# Allegro board C000PC009-HI3516DV300-CORE-A-A01.brd (continued)
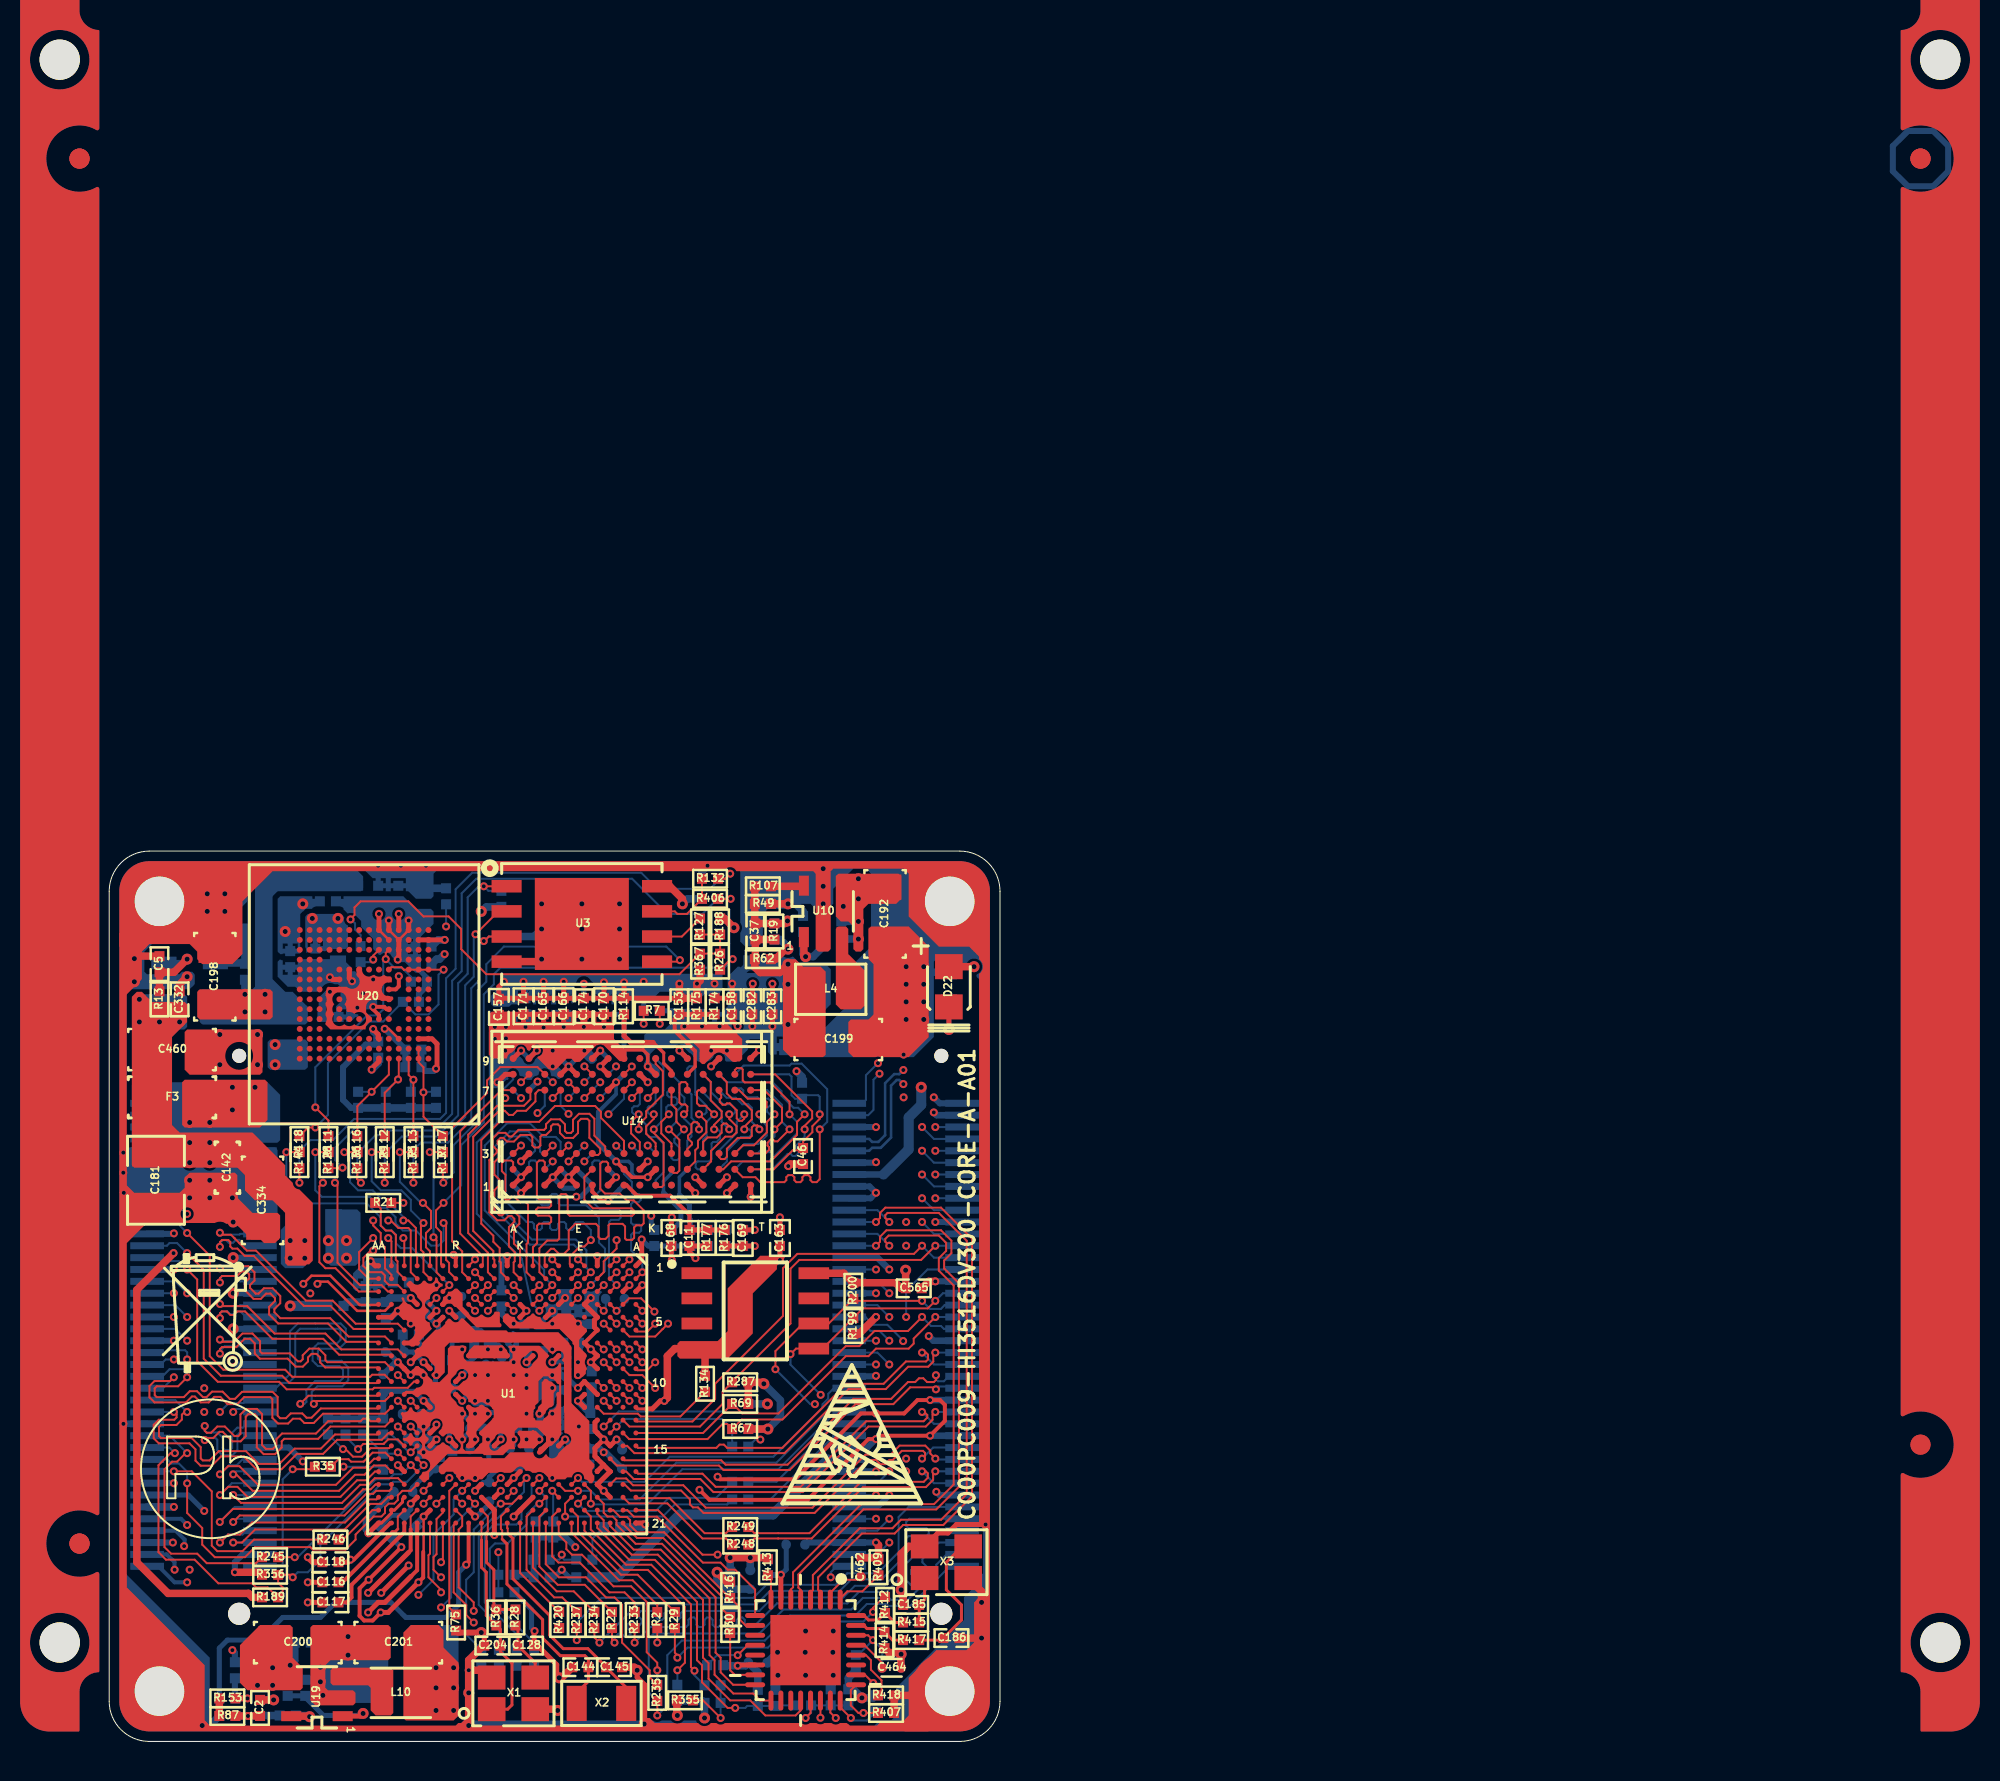
[diagram p0: board, top side]
## Footprints (pads in the part's own frame, mm; a bottom-side part is the same pattern mirrored in y, then rotated)
BGA96-32-1609G
  round 0.356 smd: A1(-6,-3.2) A2(-6,-2.4) A3(-6,-1.6) A7(-6,1.6) A8(-6,2.4) A9(-6,3.2) B1(-5.2,-3.2) B2(-5.2,-2.4) B3(-5.2,-1.6) B7(-5.2,1.6) B8(-5.2,2.4) B9(-5.2,3.2) C1(-4.4,-3.2) C2(-4.4,-2.4) C3(-4.4,-1.6) C7(-4.4,1.6) C8(-4.4,2.4) C9(-4.4,3.2) D1(-3.6,-3.2) D2(-3.6,-2.4) D3(-3.6,-1.6) D7(-3.6,1.6) D8(-3.6,2.4) D9(-3.6,3.2) E1(-2.8,-3.2) E2(-2.8,-2.4) E3(-2.8,-1.6) E7(-2.8,1.6) E8(-2.8,2.4) E9(-2.8,3.2) F1(-2,-3.2) F2(-2,-2.4) F3(-2,-1.6) F7(-2,1.6) F8(-2,2.4) F9(-2,3.2) G1(-1.2,-3.2) G2(-1.2,-2.4) G3(-1.2,-1.6) G7(-1.2,1.6) G8(-1.2,2.4) G9(-1.2,3.2) H1(-0.4,-3.2) H2(-0.4,-2.4) H3(-0.4,-1.6) H7(-0.4,1.6) H8(-0.4,2.4) H9(-0.4,3.2) J1(0.4,-3.2) J2(0.4,-2.4) J3(0.4,-1.6) J7(0.4,1.6) J8(0.4,2.4) J9(0.4,3.2) K1(1.2,-3.2) K2(1.2,-2.4) K3(1.2,-1.6) K7(1.2,1.6) K8(1.2,2.4) K9(1.2,3.2) L1(2,-3.2) L2(2,-2.4) L3(2,-1.6) L7(2,1.6) L8(2,2.4) L9(2,3.2) M1(2.8,-3.2) M2(2.8,-2.4) M3(2.8,-1.6) M7(2.8,1.6) M8(2.8,2.4) M9(2.8,3.2) N1(3.6,-3.2) N2(3.6,-2.4) N3(3.6,-1.6) N7(3.6,1.6) N8(3.6,2.4) N9(3.6,3.2) P1(4.4,-3.2) P2(4.4,-2.4) P3(4.4,-1.6) P7(4.4,1.6) P8(4.4,2.4) P9(4.4,3.2) R1(5.2,-3.2) R2(5.2,-2.4) R3(5.2,-1.6) R7(5.2,1.6) R8(5.2,2.4) R9(5.2,3.2) T1(6,-3.2) T2(6,-2.4) T3(6,-1.6) T7(6,1.6) T8(6,2.4) T9(6,3.2)
BGA153-20-1414-ENIG
  round 0.305 smd: A1(-3.25,-3.25) A2(-3.25,-2.75) A3(-3.25,-2.25) A4(-3.25,-1.75) A5(-3.25,-1.25) A6(-3.25,-0.75) A7(-3.25,-0.25) A8(-3.25,0.25) A9(-3.25,0.75) A10(-3.25,1.25) A11(-3.25,1.75) A12(-3.25,2.25) A13(-3.25,2.75) A14(-3.25,3.25) B1(-2.75,-3.25) B2(-2.75,-2.75) B3(-2.75,-2.25) B4(-2.75,-1.75) B5(-2.75,-1.25) B6(-2.75,-0.75) B7(-2.75,-0.25) B8(-2.75,0.25) B9(-2.75,0.75) B10(-2.75,1.25) B11(-2.75,1.75) B12(-2.75,2.25) B13(-2.75,2.75) B14(-2.75,3.25) C1(-2.25,-3.25) C2(-2.25,-2.75) C3(-2.25,-2.25) C4(-2.25,-1.75) C5(-2.25,-1.25) C6(-2.25,-0.75) C7(-2.25,-0.25) C8(-2.25,0.25) C9(-2.25,0.75) C10(-2.25,1.25) C11(-2.25,1.75) C12(-2.25,2.25) C13(-2.25,2.75) C14(-2.25,3.25) D1(-1.75,-3.25) D2(-1.75,-2.75) D3(-1.75,-2.25) D4(-1.75,-1.75) D12(-1.75,2.25) D13(-1.75,2.75) D14(-1.75,3.25) E1(-1.25,-3.25) E2(-1.25,-2.75) E3(-1.25,-2.25) E5(-1.25,-1.25) E6(-1.25,-0.75) E7(-1.25,-0.25) E8(-1.25,0.25) E9(-1.25,0.75) E10(-1.25,1.25) E12(-1.25,2.25) E13(-1.25,2.75) E14(-1.25,3.25) F1(-0.75,-3.25) F2(-0.75,-2.75) F3(-0.75,-2.25) F5(-0.75,-1.25) F10(-0.75,1.25) F12(-0.75,2.25) F13(-0.75,2.75) F14(-0.75,3.25) G1(-0.25,-3.25) G2(-0.25,-2.75) G3(-0.25,-2.25) G5(-0.25,-1.25) G10(-0.25,1.25) G12(-0.25,2.25) G13(-0.25,2.75) G14(-0.25,3.25) H1(0.25,-3.25) H2(0.25,-2.75) H3(0.25,-2.25) H5(0.25,-1.25) H10(0.25,1.25) H12(0.25,2.25) H13(0.25,2.75) H14(0.25,3.25) J1(0.75,-3.25) J2(0.75,-2.75) J3(0.75,-2.25) J5(0.75,-1.25) J10(0.75,1.25) J12(0.75,2.25) J13(0.75,2.75) J14(0.75,3.25) K1(1.25,-3.25) K2(1.25,-2.75) K3(1.25,-2.25) K5(1.25,-1.25) K6(1.25,-0.75) K7(1.25,-0.25) K8(1.25,0.25) K9(1.25,0.75) K10(1.25,1.25) K12(1.25,2.25) K13(1.25,2.75) K14(1.25,3.25) L1(1.75,-3.25) L2(1.75,-2.75) L3(1.75,-2.25) L12(1.75,2.25) L13(1.75,2.75) L14(1.75,3.25) M1(2.25,-3.25) M2(2.25,-2.75) M3(2.25,-2.25) M4(2.25,-1.75) M5(2.25,-1.25) M6(2.25,-0.75) M7(2.25,-0.25) M8(2.25,0.25) M9(2.25,0.75) M10(2.25,1.25) M11(2.25,1.75) M12(2.25,2.25) M13(2.25,2.75) M14(2.25,3.25) N1(2.75,-3.25) N2(2.75,-2.75) N3(2.75,-2.25) N4(2.75,-1.75) N5(2.75,-1.25) N6(2.75,-0.75) N7(2.75,-0.25) N8(2.75,0.25) N9(2.75,0.75) N10(2.75,1.25) N11(2.75,1.75) N12(2.75,2.25) N13(2.75,2.75) N14(2.75,3.25) P1(3.25,-3.25) P2(3.25,-2.75) P3(3.25,-2.25) P4(3.25,-1.75) P5(3.25,-1.25) P6(3.25,-0.75) P7(3.25,-0.25) P8(3.25,0.25) P9(3.25,0.75) P10(3.25,1.25) P11(3.25,1.75) P12(3.25,2.25) P13(3.25,2.75) P14(3.25,3.25)
BGA367-26-2121
  round 0.254 smd: A1(-6.5,-6.5) A2(-6.5,-5.85) A3(-6.5,-5.2) A4(-6.5,-4.55) A5(-6.5,-3.9) A6(-6.5,-3.25) A7(-6.5,-2.6) A8(-6.5,-1.95) A9(-6.5,-1.3) A10(-6.5,-0.65) A11(-6.5,0) A12(-6.5,0.65) A13(-6.5,1.3) A14(-6.5,1.95) A15(-6.5,2.6) A17(-6.5,3.9) A19(-6.5,5.2) A20(-6.5,5.85) A21(-6.5,6.5) AA1(6.5,-6.5) AA2(6.5,-5.85) AA3(6.5,-5.2) AA4(6.5,-4.55) AA5(6.5,-3.9) AA7(6.5,-2.6) AA9(6.5,-1.3) AA10(6.5,-0.65) AA11(6.5,0) AA12(6.5,0.65) AA13(6.5,1.3) AA14(6.5,1.95) AA16(6.5,3.25) AA17(6.5,3.9) AA18(6.5,4.55) AA19(6.5,5.2) AA20(6.5,5.85) AA21(6.5,6.5) B1(-5.85,-6.5) B2(-5.85,-5.85) B3(-5.85,-5.2) B4(-5.85,-4.55) B5(-5.85,-3.9) B6(-5.85,-3.25) B7(-5.85,-2.6) B8(-5.85,-1.95) B9(-5.85,-1.3) B10(-5.85,-0.65) B11(-5.85,0) B12(-5.85,0.65) B13(-5.85,1.3) B14(-5.85,1.95) B15(-5.85,2.6) B16(-5.85,3.25) B17(-5.85,3.9) B18(-5.85,4.55) B19(-5.85,5.2) B20(-5.85,5.85) B21(-5.85,6.5) C1(-5.2,-6.5) C2(-5.2,-5.85) C3(-5.2,-5.2) C4(-5.2,-4.55) C5(-5.2,-3.9) C6(-5.2,-3.25) C7(-5.2,-2.6) C8(-5.2,-1.95) C9(-5.2,-1.3) C10(-5.2,-0.65) C11(-5.2,0) C12(-5.2,0.65) C13(-5.2,1.3) C14(-5.2,1.95) C15(-5.2,2.6) C16(-5.2,3.25) C17(-5.2,3.9) C18(-5.2,4.55) C19(-5.2,5.2) C20(-5.2,5.85) C21(-5.2,6.5) D1(-4.55,-6.5) D2(-4.55,-5.85) D3(-4.55,-5.2) D4(-4.55,-4.55) D5(-4.55,-3.9) D6(-4.55,-3.25) D7(-4.55,-2.6) D8(-4.55,-1.95) D9(-4.55,-1.3) D10(-4.55,-0.65) D11(-4.55,0) D12(-4.55,0.65) D13(-4.55,1.3) D14(-4.55,1.95) D15(-4.55,2.6) D16(-4.55,3.25) D17(-4.55,3.9) D18(-4.55,4.55) D19(-4.55,5.2) D20(-4.55,5.85) D21(-4.55,6.5) E1(-3.9,-6.5) E2(-3.9,-5.85) E3(-3.9,-5.2) E4(-3.9,-4.55) E5(-3.9,-3.9) E6(-3.9,-3.25) E7(-3.9,-2.6) E8(-3.9,-1.95) E9(-3.9,-1.3) E10(-3.9,-0.65) E11(-3.9,0) E12(-3.9,0.65) E18(-3.9,4.55) E19(-3.9,5.2) E20(-3.9,5.85) E21(-3.9,6.5) F1(-3.25,-6.5) F2(-3.25,-5.85) F3(-3.25,-5.2) F4(-3.25,-4.55) F5(-3.25,-3.9) F18(-3.25,4.55) F19(-3.25,5.2) F20(-3.25,5.85) F21(-3.25,6.5) G1(-2.6,-6.5) G2(-2.6,-5.85) G3(-2.6,-5.2) G4(-2.6,-4.55) G5(-2.6,-3.9) G8(-2.6,-1.95) G9(-2.6,-1.3) G10(-2.6,-0.65) G11(-2.6,0) G12(-2.6,0.65) G13(-2.6,1.3) G14(-2.6,1.95) G15(-2.6,2.6) G18(-2.6,4.55) G19(-2.6,5.2) G20(-2.6,5.85) G21(-2.6,6.5) H1(-1.95,-6.5) H2(-1.95,-5.85) H3(-1.95,-5.2) H4(-1.95,-4.55) H5(-1.95,-3.9) H8(-1.95,-1.95) H9(-1.95,-1.3) H10(-1.95,-0.65) H11(-1.95,0) H12(-1.95,0.65) H13(-1.95,1.3) H14(-1.95,1.95) H15(-1.95,2.6) H17(-1.95,3.9) H18(-1.95,4.55) H19(-1.95,5.2) H20(-1.95,5.85) H21(-1.95,6.5) J1(-1.3,-6.5) J2(-1.3,-5.85) J3(-1.3,-5.2) J4(-1.3,-4.55) J5(-1.3,-3.9) J8(-1.3,-1.95) J9(-1.3,-1.3) J10(-1.3,-0.65) J11(-1.3,0) J12(-1.3,0.65) J13(-1.3,1.3) J14(-1.3,1.95) J15(-1.3,2.6) J18(-1.3,4.55) J19(-1.3,5.2) J20(-1.3,5.85) J21(-1.3,6.5) K1(-0.65,-6.5) K2(-0.65,-5.85) K3(-0.65,-5.2) K4(-0.65,-4.55) K5(-0.65,-3.9) K8(-0.65,-1.95) K9(-0.65,-1.3) K10(-0.65,-0.65) K11(-0.65,0) K12(-0.65,0.65) K13(-0.65,1.3) K14(-0.65,1.95) K15(-0.65,2.6) K17(-0.65,3.9) K18(-0.65,4.55) K19(-0.65,5.2) K20(-0.65,5.85) K21(-0.65,6.5) L1(0,-6.5) L2(0,-5.85) L3(0,-5.2) L4(0,-4.55) L5(0,-3.9) L8(0,-1.95) L9(0,-1.3) L10(0,-0.65) L11(0,0) L12(0,0.65) L13(0,1.3) L14(0,1.95) L15(0,2.6) L18(0,4.55) L19(0,5.2) L20(0,5.85) L21(0,6.5) M1(0.65,-6.5) M2(0.65,-5.85) M3(0.65,-5.2) M4(0.65,-4.55) M5(0.65,-3.9) M8(0.65,-1.95) M9(0.65,-1.3) M10(0.65,-0.65) M11(0.65,0) M12(0.65,0.65) M13(0.65,1.3) M14(0.65,1.95) M15(0.65,2.6) M18(0.65,4.55) M19(0.65,5.2) M20(0.65,5.85) M21(0.65,6.5) N1(1.3,-6.5) N2(1.3,-5.85) N3(1.3,-5.2) N4(1.3,-4.55) N8(1.3,-1.95) N9(1.3,-1.3) N10(1.3,-0.65) N11(1.3,0) N12(1.3,0.65) N13(1.3,1.3) N14(1.3,1.95) N15(1.3,2.6) N18(1.3,4.55) N19(1.3,5.2) N20(1.3,5.85) N21(1.3,6.5) P1(1.95,-6.5) P2(1.95,-5.85) P3(1.95,-5.2) P4(1.95,-4.55) P8(1.95,-1.95) P9(1.95,-1.3) P10(1.95,-0.65) P11(1.95,0) P12(1.95,0.65) P13(1.95,1.3) P14(1.95,1.95) P15(1.95,2.6) P17(1.95,3.9) P18(1.95,4.55) P19(1.95,5.2) P20(1.95,5.85) P21(1.95,6.5) R1(2.6,-6.5) R2(2.6,-5.85) R3(2.6,-5.2) R4(2.6,-4.55) R5(2.6,-3.9) R8(2.6,-1.95) R9(2.6,-1.3) R10(2.6,-0.65) R11(2.6,0) R12(2.6,0.65) R13(2.6,1.3) R14(2.6,1.95) R15(2.6,2.6) R17(2.6,3.9) R18(2.6,4.55) R19(2.6,5.2) R20(2.6,5.85) R21(2.6,6.5) T1(3.25,-6.5) T2(3.25,-5.85) T3(3.25,-5.2) T4(3.25,-4.55) T5(3.25,-3.9) T17(3.25,3.9) T18(3.25,4.55) T19(3.25,5.2) T20(3.25,5.85) T21(3.25,6.5) U1(3.9,-6.5) U2(3.9,-5.85) U3(3.9,-5.2) U4(3.9,-4.55) U5(3.9,-3.9) U9(3.9,-1.3) U11(3.9,0) U12(3.9,0.65) U14(3.9,1.95) U15(3.9,2.6) U18(3.9,4.55) U19(3.9,5.2) U20(3.9,5.85) U21(3.9,6.5) V1(4.55,-6.5) V2(4.55,-5.85) V3(4.55,-5.2) V4(4.55,-4.55) V5(4.55,-3.9) V6(4.55,-3.25) V7(4.55,-2.6) V8(4.55,-1.95) V9(4.55,-1.3) V10(4.55,-0.65) V11(4.55,0) V12(4.55,0.65) V13(4.55,1.3) V14(4.55,1.95) V15(4.55,2.6) V16(4.55,3.25) V17(4.55,3.9) V18(4.55,4.55) V19(4.55,5.2) V20(4.55,5.85) V21(4.55,6.5) W1(5.2,-6.5) W2(5.2,-5.85) W3(5.2,-5.2) W4(5.2,-4.55) W5(5.2,-3.9) W6(5.2,-3.25) W7(5.2,-2.6) W8(5.2,-1.95) W9(5.2,-1.3) W10(5.2,-0.65) W11(5.2,0) W12(5.2,0.65) W13(5.2,1.3) W14(5.2,1.95) W15(5.2,2.6) W16(5.2,3.25) W17(5.2,3.9) W18(5.2,4.55) W19(5.2,5.2) W20(5.2,5.85) W21(5.2,6.5) Y1(5.85,-6.5) Y2(5.85,-5.85) Y3(5.85,-5.2) Y4(5.85,-4.55) Y5(5.85,-3.9) Y6(5.85,-3.25) Y7(5.85,-2.6) Y8(5.85,-1.95) Y9(5.85,-1.3) Y10(5.85,-0.65) Y11(5.85,0) Y12(5.85,0.65) Y13(5.85,1.3) Y14(5.85,1.95) Y15(5.85,2.6) Y16(5.85,3.25) Y17(5.85,3.9) Y18(5.85,4.55) Y19(5.85,5.2) Y20(5.85,5.85) Y21(5.85,6.5)
FX8C-80S-SV
  round 1.118 hole 1.118 unplated: (-14.1,1.8)
  round 0.711 hole 0.711 unplated: (14.1,1.8)
  rect 0.356x1.702 smd: 1(-11.7,2.85) 2(-11.7,-2.85) 3(-11.1,2.85) 4(-11.1,-2.85) 5(-10.5,2.85) 6(-10.5,-2.85) 7(-9.9,2.85) 8(-9.9,-2.85) 9(-9.3,2.85) 10(-9.3,-2.85) 11(-8.7,2.85) 12(-8.7,-2.85) 13(-8.1,2.85) 14(-8.1,-2.85) 15(-7.5,2.85) 16(-7.5,-2.85) 17(-6.9,2.85) 18(-6.9,-2.85) 19(-6.3,2.85) 20(-6.3,-2.85) 21(-5.7,2.85) 22(-5.7,-2.85) 23(-5.1,2.85) 24(-5.1,-2.85) 25(-4.5,2.85) 26(-4.5,-2.85) 27(-3.9,2.85) 28(-3.9,-2.85) 29(-3.3,2.85) 30(-3.3,-2.85) 31(-2.7,2.85) 32(-2.7,-2.85) 33(-2.1,2.85) 34(-2.1,-2.85) 35(-1.5,2.85) 36(-1.5,-2.85) 37(-0.9,2.85) 38(-0.9,-2.85) 39(-0.3,2.85) 40(-0.3,-2.85) 41(0.3,2.85) 42(0.3,-2.85) 43(0.9,2.85) 44(0.9,-2.85) 45(1.5,2.85) 46(1.5,-2.85) 47(2.1,2.85) 48(2.1,-2.85) 49(2.7,2.85) 50(2.7,-2.85) 51(3.3,2.85) 52(3.3,-2.85) 53(3.9,2.85) 54(3.9,-2.85) 55(4.5,2.85) 56(4.5,-2.85) 57(5.1,2.85) 58(5.1,-2.85) 59(5.7,2.85) 60(5.7,-2.85) 61(6.3,2.85) 62(6.3,-2.85) 63(6.9,2.85) 64(6.9,-2.85) 65(7.5,2.85) 66(7.5,-2.85) 67(8.1,2.85) 68(8.1,-2.85) 69(8.7,2.85) 70(8.7,-2.85) 71(9.3,2.85) 72(9.3,-2.85) 73(9.9,2.85) 74(9.9,-2.85) 75(10.5,2.85) 76(10.5,-2.85) 77(11.1,2.85) 78(11.1,-2.85) 79(11.7,2.85) 80(11.7,-2.85)
HOLE4C2_5MM
  round 4 hole 2.5: 1(0,0)
HSC0402
  rect 0.508x0.508 smd: 1(-0.406,0) 2(0.406,0)
HSL1008
  rect 0.94x1.905 smd: 1(-1.029,0) 2(1.029,0)
HSX2-0302
  rect 1.016x1.778 smd: 1(-1.25,0) 2(1.25,0)
HSX4-0302
  rect 1.397x1.219 smd: 1(-1.1,-0.8) 2(1.1,-0.8) 3(1.1,0.8) 4(-1.1,0.8)
ID-BOARD
  round 1.016 smd: 1(0,0)
QFN32C-050-0505LH
  oval 0.254x1.016 smd: 1(-1.75,-2.55) 2(-1.25,-2.55) 3(-0.75,-2.55) 4(-0.25,-2.55) 5(0.25,-2.55) 6(0.75,-2.55) 7(1.25,-2.55) 8(1.75,-2.55) 17(1.75,2.55) 18(1.25,2.55) 19(0.75,2.55) 20(0.25,2.55) 21(-0.25,2.55) 22(-0.75,2.55) 23(-1.25,2.55) 24(-1.75,2.55)
  oval 1.016x0.254 smd: 9(2.55,-1.75) 10(2.55,-1.25) 11(2.55,-0.75) 12(2.55,-0.25) 13(2.55,0.25) 14(2.55,0.75) 15(2.55,1.25) 16(2.55,1.75) 25(-2.55,1.75) 26(-2.55,1.25) 27(-2.55,0.75) 28(-2.55,0.25) 29(-2.55,-0.25) 30(-2.55,-0.75) 31(-2.55,-1.25) 32(-2.55,-1.75)
  rect 3.556x3.556 smd: 33(0,0)
SC0402
  rect 0.508x0.508 smd: 1(-0.406,0) 2(0.406,0)
SC0402-BGA
  custom 0.119x0.119 smd: 1(-0.47,0) 2(0.47,0)
SC0402-PD
  rect 0.508x0.508 smd: 1(-0.406,0) 2(0.406,0)
SC0603
  rect 0.762x0.813 smd: 1(-0.699,0) 2(0.699,0)
SC1206
  rect 1.295x1.651 smd: 1(-1.346,0) 2(1.346,0)
SC1210B
  rect 1.295x2.413 smd: 1(-1.346,0) 2(1.346,0)
SD0805-LED
  rect 1.27x1.397 smd: 1(-1.016,0) 2(1.016,0)
SF1206
  rect 1.295x1.651 smd: 1(-1.346,0) 2(1.346,0)
SL0402
  rect 0.483x0.508 smd: 1(-0.394,0) 2(0.394,0)
SL1008F
  rect 0.965x2.032 smd: 1(-0.875,0) 2(0.875,0)
SO8
  rect 1.55x0.6 smd: 1(-2.7,1.905) 2(-2.7,0.635) 3(-2.7,-0.635) 4(-2.7,-1.905) 5(3.208,-1.905) 6(3.208,-0.635) 7(3.208,0.635) 8(3.208,1.905)
SOT23-5
  rect 0.508x1.016 smd: 1(-0.95,-1.3) 2(0,-1.3) 3(0.95,-1.3) 4(0.95,1.3) 5(-0.95,1.3)
SR0402
  rect 0.508x0.508 smd: 1(-0.406,0) 2(0.406,0)
SR0603
  rect 0.711x0.813 smd: 1(-0.737,0) 2(0.737,0)
SR0805
  rect 0.838x1.143 smd: 1(-0.927,0) 2(0.927,0)
TSOT23-5
  rect 0.635x1.27 smd: 1(-0.95,-1.3) 2(0,-1.3) 3(0.95,-1.3) 4(0.95,1.3) 5(-0.95,1.3)
unnamed
  round 2.032 hole 2.032 unplated: (5,2.5)
  round 1.016 smd: (10,1.5) (10,1.5)
unnamed#2
  round 2.032 hole 2.032 unplated: (5,-2.5)
  round 1.016 smd: (10,-1.5) (10,-1.5)
unnamed#4
  round 1.016 smd: (-10,-1.5) (-10,-1.5)
  round 2.032 hole 2.032 unplated: (-5,-2.5)
unnamed#5
  round 1.016 smd: (-15,1.5) (-15,1.5)
  round 2.032 hole 2.032 unplated: (-5,2.5)
WSON8-MX25L12835ZN
  rect 0.635x1.524 smd: 1(-1.905,-3.8) 2(-0.635,-3.8) 3(0.635,-3.8) 4(1.905,-3.8) 5(1.905,3.8) 6(0.635,3.8) 7(-0.635,3.8) 8(-1.905,3.8)
  rect 4.648x4.75 smd: 9(0,0)

## Nets
1V8: C198.1(A) R3.1(A) R150.2(B) R168.1(A) R189.1(A) U9.5(VOUT)
1V8_SOC: C22.1(A) C122.2(B) C125.1(A) C139.2(B) C141.2(B) R40.1(A) R89.1(A) R143.1(A) R148.2(B) R168.2(B) R195.2(B) R197.2(B) R204.1(A) R205.1(A) R207.1(A) R208.1(A) U1.K17(DVDD3318_SDIO1) U1.L18(DVDD3318_PC) U1.T5(DVDD18_SDIO0) U1.U12(AVDD3318_MIPIRX) U1.U14(DVDD3318_SENSOR) U1.U15(DVDD3318_VI)
3V3: C69.1(A) C98.1(A) C120.1(A) C142.1(A) C181.1(A) C192.1(A) C200.1(A) C332.1(A) C334.1(A) C460.1(A) C461.1(A) C466.1(A) C565.2(B) D22.1(A) F3.2 LB1.1 LB2.1 R13.1(A) R67.2(B) R69.2(B) R96.1(A) R108.2(B) R109.2(B) R165.1(A) R166.1(A) R170.1(A) R188.1(A) R192.1(A) R196.1(A) R199.2(B) R200.2(B) R206.1(A) R287.1(A) R308.1(A) R366.1(A) R408.2(B) R411.2(B) R413.1(A) R419.1(A) U3.8(VCC) U9.1(VIN) U10.4(VIN) U19.4(VIN) U21.14(DVDD33) U59.8(VCC)
3V3_SOC: C36.2(B) C93.1(A) C94.1(A) C95.1(A) C126.2(B) LB5.1 LB11.1 LB14.1 LB16.1 LB19.1 R39.2(B) R149.2(B) R166.2(B) U1.H17(DVDD33_3) U1.P17(DVDD33_2) U1.R17(DVDD3318_SARADC) U1.T17(DVDD3318_UART1) U1.V8(DVDD33_1)
5V0_USB: J1.68 R76.2(B)
AVDD09_HDMITX: C100.1(A) LB15.2 U1.R10(AVDD09_HDMITX)
AVDD09_PLL: C102.1(A) LB17.2 U1.M15(AVDD09_PLL)
AVDD33_AC: C96.1(A) LB11.2 U1.R15(AVDD33_AC)
AVDD33_DDR_PLL: C104.1(A) LB19.2 U1.J8(AVDD33_DDR_PLL)
AVDD33_HDMITX: C99.1(A) LB14.2 U1.R11(AVDD33_HDMITX)
AVDD33_PLL: C101.1(A) LB16.2 U1.N18(AVDD33_PLL)
AVDD33_USB: C110.2(B) R39.1(A) U1.U9(AVDD33_USB)
AVDD3318_MIPITX: C123.2(B) LB5.2 U1.G15(AVDD3318_MIPITX)
AVDD_BAT_RTC: R40.2(B) R91.2(B) U1.M19(AVDD_BAT)
DDRIO_1.5V/1.35V: C3.1(A) C7.1(A) C9.1(A) C12.1(A) C23.1(A) C37.1(A) C108.1(A) C154.1(A) C155.1(A) C157.1(A) C158.1(A) C160.1(A) C162.1(A) C163.1(A) C164.1(A) C165.1(A) C166.1(A) C167.1(A) C168.1(A) C169.1(A) C170.1(A) C171.1(A) C172.1(A) C173.1(A) C174.1(A) C195.1(A) C199.1(A) C210.1(A) C225.1(A) C282.1(A) C283.1(A) C284.1(A) C285.1(A) L4.2(B) LB20.1 R19.1(A) R62.1(A) R174.2(B) R176.2(B) R179.2(B) R181.2(B) U1.E6(VDDIO_DDR1) U1.E8(VDDIO_DDR2) U1.E9(VDDIO_DDR3) U1.E11(VDDIO_DDR4) U1.E12(VDDIO_DDR5) U1.F5(VDDIO_DDR6) U1.G5(VDDIO_DDR7) U1.J5(VDDIO_DDR8) U1.L5(VDDIO_DDR9) U14.A1(VDDQ1) U14.A8(VDDQ6) U14.B2(VDD3) U14.C1(VDDQ2) U14.C9(VDDQ7) U14.D2(VDDQ4) U14.D9(VDD7) U14.E9(VDDQ8) U14.F1(VDDQ3) U14.G7(VDD5) U14.H2(VDDQ5) U14.H9(VDDQ9) U14.K2(VDD4) U14.K8(VDD6) U14.N1(VDD1) U14.N9(VDD8) U14.R1(VDD2) U14.R9(VDD9) U15.A1(VDDQ1) U15.A8(VDDQ6) U15.B2(VDD3) U15.C1(VDDQ2) U15.C9(VDDQ7) U15.D2(VDDQ4) U15.D9(VDD7) U15.E9(VDDQ8) U15.F1(VDDQ3) U15.G7(VDD5) U15.H2(VDDQ5) U15.H9(VDDQ9) U15.K2(VDD4) U15.K8(VDD6) U15.N1(VDD1) U15.N9(VDD8) U15.R1(VDD2) U15.R9(VDD9)
DVDD: C2.1(A) C73.1(A) C107.1(A) C109.1(A) C111.1(A) C112.1(A) C113.1(A) C115.1(A) C119.1(A) C121.1(A) C197.1(A) C201.1(A) L10.2(B) LB15.1 LB17.1 R78.1(A) U1.H10(VDD1) U1.H11(VDD2) U1.H12(VDD3) U1.J14(VDD4) U1.J15(VDD5) U1.K14(VDD6) U1.K15(VDD7) U1.L8(VDD8) U1.M8(VDD9) U1.N8(VDD10) U1.N12(VDD11) U1.N13(VDD12) U1.P8(VDD13) U1.P12(VDD14) U1.P13(VDD15) U1.P14(VDD16) U1.P15(VDD17)
DVDD3318_SDIO_VOUT: C41.1(A) J1.77 U1.U5(SDIO0_VOUT)
GND: C3.2(B) C5.2(B) C7.2(B) C9.2(B) C11.2(B) C12.2(B) C22.2(B) C23.2(B) C27.2(B) C36.1(A) C41.2(B) C43.2(B) C46.2(B) C55.2(B) C56.2(B) C57.2(B) C58.2(B) C59.2(B) C60.2(B) C62.2(B) C63.2(B) C64.2(B) C65.2(B) C66.2(B) C67.2(B) C68.2(B) C69.2(B) C73.2(B) C81.2(B) C90.1(A) C93.2(B) C94.2(B) C95.2(B) C96.2(B) C98.2(B) C99.2(B) C100.2(B) C101.2(B) C102.2(B) C104.2(B) C106.2(B) C107.2(B) C108.2(B) C109.2(B) C110.1(A) C111.2(B) C112.2(B) C113.2(B) C115.2(B) C118.1(A) C119.2(B) C120.2(B) C121.2(B) C122.1(A) C123.1(A) C125.2(B) C126.1(A) C128.2(B) C129.2(B) C132.2(B) C139.1(A) C140.1(A) C141.1(A) C142.2(B) C144.2(B) C145.2(B) C153.2(B) C154.2(B) C155.2(B) C157.2(B) C158.2(B) C159.2(B) C160.2(B) C161.2(B) C162.2(B) C163.2(B) C164.2(B) C165.2(B) C166.2(B) C167.2(B) C168.2(B) C169.2(B) C170.2(B) C171.2(B) C172.2(B) C173.2(B) C174.2(B) C181.2(B) C185.1(A) C186.1(A) C188.1(A) C192.2(B) C195.2(B) C197.2(B) C198.2(B) C199.2(B) C200.2(B) C201.2(B) C204.2(B) C210.2(B) C225.2(B) C281.2(B) C282.2(B) C283.2(B) C284.2(B) C285.2(B) C332.2(B) C334.2(B) C423.2(B) C460.2(B) C461.2(B) C462.2(B) C463.2(B) C464.2(B) C465.2(B) C466.2(B) C565.1(A) H1.1 H2.1 H3.1 H4.1 J1.6 J1.12 J1.13 J1.18 J1.22 J1.23 J1.29 J1.34 J1.39 J1.48 J1.49 J1.54 J1.59 J1.64 J1.66 J1.70 J1.76 J1.79 J2.3 J2.6 J2.12 J2.16 J2.21 J2.26 J2.35 J2.40 J2.41 J2.47 J2.52 J2.53 J2.58 J2.59 J2.61 J2.63 J2.64 J2.65 J2.66 J2.67 J2.68 J2.69 J2.70 J2.71 J2.72 R24.2(B) R49.1(A) R65.2(B) R75.2(B) R79.2(B) R114.1(A) R115.1(A) R134.1(A) R142.1(A) R146.2(B) R175.1(A) R177.1(A) R178.1(A) R180.1(A) R198.1(A) R225.1(A) R354.2(B) R355.2(B) R356.2(B) R367.2(B) R407.2(B) R409.1(A) R414.1(A) R416.2(B) R418.1(A) U1.A1(VSS1) U1.A3(VSS2) U1.A12(VSS3) U1.A21(VSS4) U1.AA1(VSS78) U1.AA5(AVSS_HDMITX8) U1.AA21(AVSS_AC5) U1.B3(VSS5) U1.C15(AVSS_MIPITX1) U1.C17(AVSS_MIPITX2) U1.C19(AVSS_MIPITX3) U1.D1(VSS6) U1.D5(VSS7) U1.D6(VSS8) U1.D8(VSS9) U1.D9(VSS10) U1.D11(VSS11) U1.D13(VSS12) U1.D14(VSS13) U1.D15(AVSS_MIPITX4) U1.D16(AVSS_MIPITX5) U1.D17(AVSS_MIPITX6) U1.D18(AVSS_MIPITX7) U1.E4(VSS14) U1.E7(VSS15) U1.E10(VSS16) U1.G4(VSS17) U1.G9(VSS18) U1.G10(VSS19) U1.G11(VSS20) U1.G12(VSS21) U1.G13(VSS22) U1.G14(AVSS_MIPITX8) U1.H5(VSS23) U1.H8(VSS24) U1.H9(VSS25) U1.H13(VSS26) U1.H14(VSS27) U1.H15(VSS28) U1.J9(AVSS_DDR_PLL) U1.J10(VSS29) U1.J11(VSS30) U1.J12(VSS31) U1.J13(VSS32) U1.J19(VSS33) U1.K4(VSS34) U1.K5(VSS35) U1.K8(VSS36) U1.K9(VSS37) U1.K10(VSS38) U1.K11(VSS39) U1.K12(VSS40) U1.K13(VSS41) U1.K20(AVSS_RTC1) U1.L1(VSS42) U1.L9(VSS43) U1.L10(VSS44) U1.L11(VSS45) U1.L12(VSS46) U1.L13(VSS47) U1.L14(VSS48) U1.L15(VSS49) U1.M5(VSS50) U1.M9(VSS51) U1.M10(VSS52) U1.M11(VSS53) U1.M12(VSS54) U1.M13(VSS55) U1.M14(VSS56) U1.M20(AVSS_RTC2) U1.M21(VSS57) U1.N9(VSS58) U1.N10(VSS59) U1.N11(VSS60) U1.N14(VSS61) U1.N15(AVSS_PLL) U1.N19(VSS62) U1.P9(VSS63) U1.P10(AVSS_HDMITX1) U1.P11(VSS64) U1.P20(VSS65) U1.R1(VSS66) U1.R3(VSS67) U1.R4(VSS68) U1.R8(VSS69) U1.R9(VSS70) U1.R12(VSS71) U1.R13(VSS72) U1.R14(AVSS_AC1) U1.T4(VSS73) U1.U3(VSS74) U1.U11(AVSS_MIPIRX1) U1.U20(AVSS_AC2) U1.V3(VSS75) U1.V5(VSS76) U1.V6(AVSS_HDMITX2) U1.V7(AVSS_HDMITX3) U1.V9(AVSS_USB1) U1.V11(AVSS_MIPIRX2) U1.V13(AVSS_MIPIRX3) U1.W4(AVSS_USB2) U1.W5(AVSS_HDMITX4) U1.W7(AVSS_HDMITX5) U1.W9(AVSS_HDMITX6) U1.W11(AVSS_MIPIRX4) U1.W13(AVSS_MIPIRX5) U1.W17(VSS77) U1.W19(AVSS_AC3) U1.Y5(AVSS_HDMITX7) U1.Y20(AVSS_AC4) U3.4(VSS) U3.9(VSS_EPAD) U9.2(GND) U10.2(GND) U14.A9(VSS9) U14.B1(VSSQ1) U14.B3(VSS6) U14.B9(VSSQ7) U14.D1(VSSQ2) U14.D8(VSSQ5) U14.E1(VSS1) U14.E2(VSSQ4) U14.E8(VSSQ6) U14.F9(VSSQ8) U14.G1(VSSQ3) U14.G8(VSS7) U14.G9(VSSQ9) U14.J2(VSS5) U14.J8(VSS8) U14.M1(VSS2) U14.M9(VSS10) U14.P1(VSS3) U14.P9(VSS11) U14.T1(VSS4) U14.T9(VSS12) U15.A9(VSS9) U15.B1(VSSQ1) U15.B3(VSS6) U15.B9(VSSQ7) U15.D1(VSSQ2) U15.D8(VSSQ5) U15.E1(VSS1) U15.E2(VSSQ4) U15.E8(VSSQ6) U15.F9(VSSQ8) U15.G1(VSSQ3) U15.G8(VSS7) U15.G9(VSSQ9) U15.J2(VSS5) U15.J8(VSS8) U15.M1(VSS2) U15.M9(VSS10) U15.P1(VSS3) U15.P9(VSS11) U15.T1(VSS4) U15.T9(VSS12) U19.2(GND) U20.A6(VSS1) U20.C4(VSSQ/VSS1) U20.E7(VSS2) U20.G5(VSS3) U20.H10(VSS4) U20.J5(VSS5) U20.K8(VSS6) U20.N2(VSSQ/VSS2) U20.N5(VSSQ/VSS3) U20.P4(VSSQ/VSS4) U20.P6(VSSQ/VSS5) U21.33(E-PAD) U59.4(GND) X1.2(GND1) X1.4(GND2) X3.2(GND1) X3.4(GND2)